# Altium PCB Slave_LHS.PcbDoc (part 1 of 3)
Units mm, origin at the board's own origin, x right, y up, seen from the top; angles counter-clockwise.
Board outline 65 x 162 mm, 4 copper layers (Top Layer, Int1 (GND), Int2 (PWR), Bottom Layer), stack 1.369 mm thick; 258 components, 190 nets, 698 pads, 180 vias.
Unrouted connection lines stored in the file: 7.
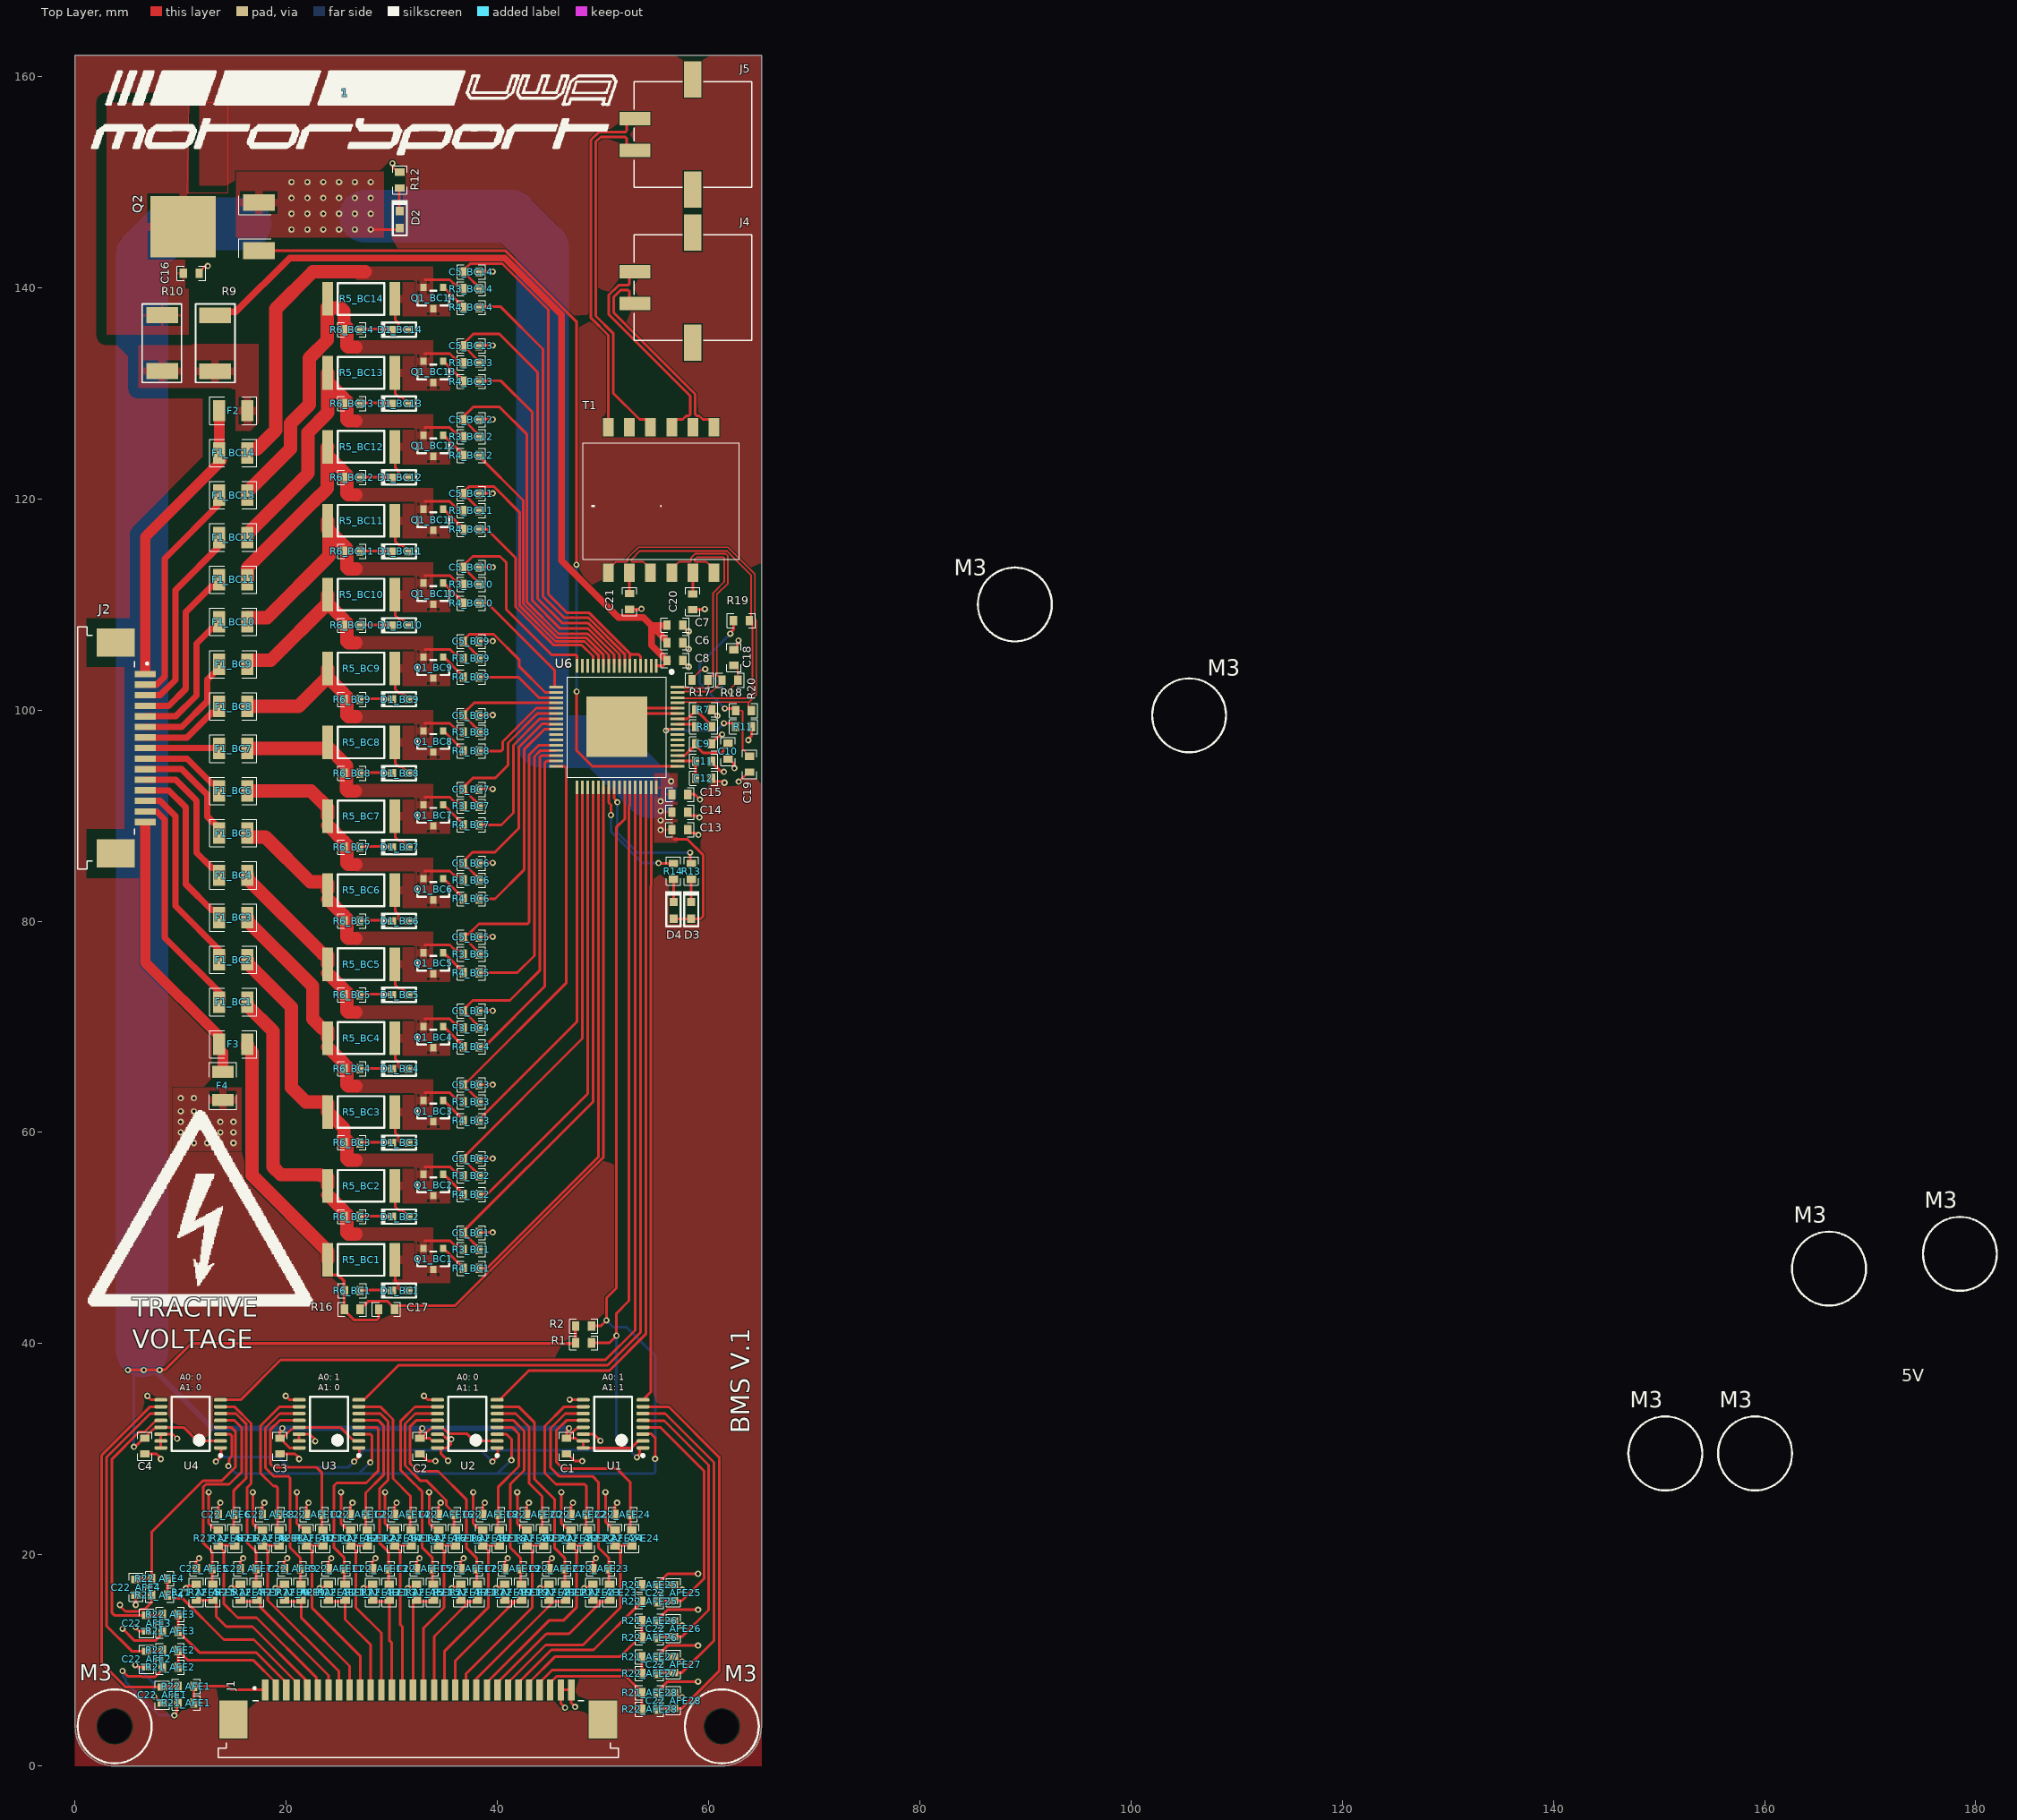
[diagram p0: Top Layer view]
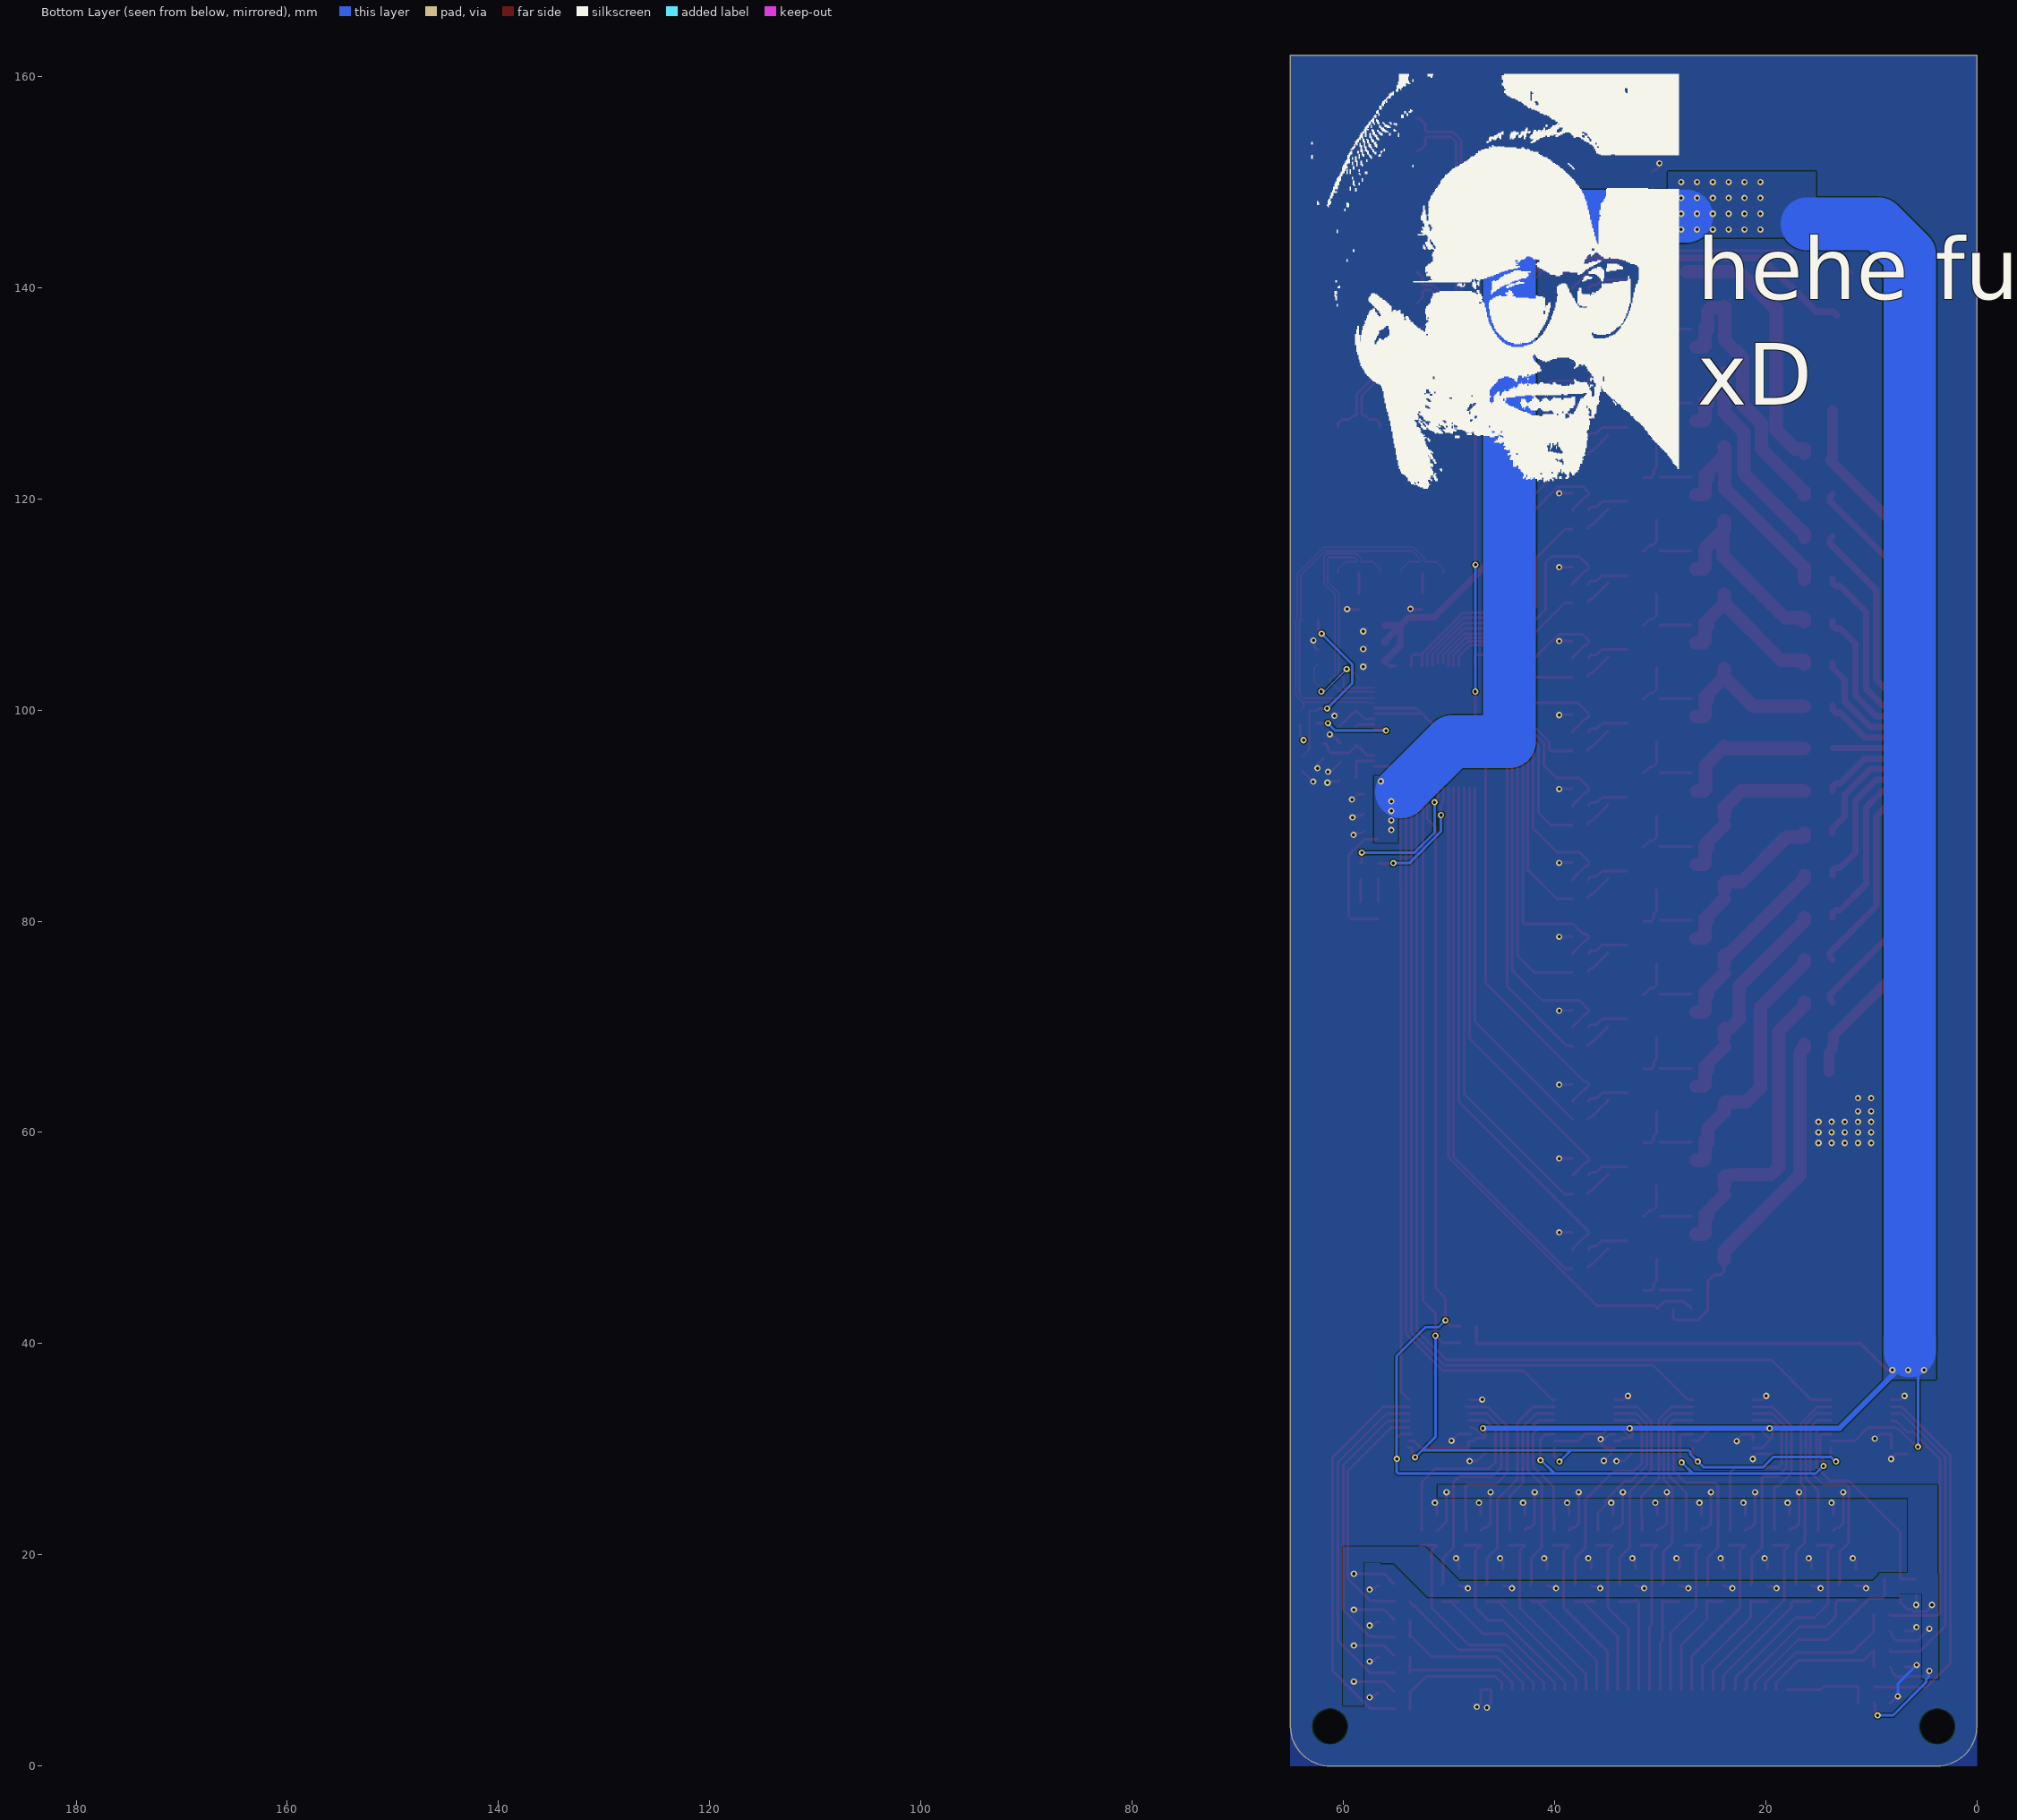
[diagram p1: Bottom Layer view, seen from below]
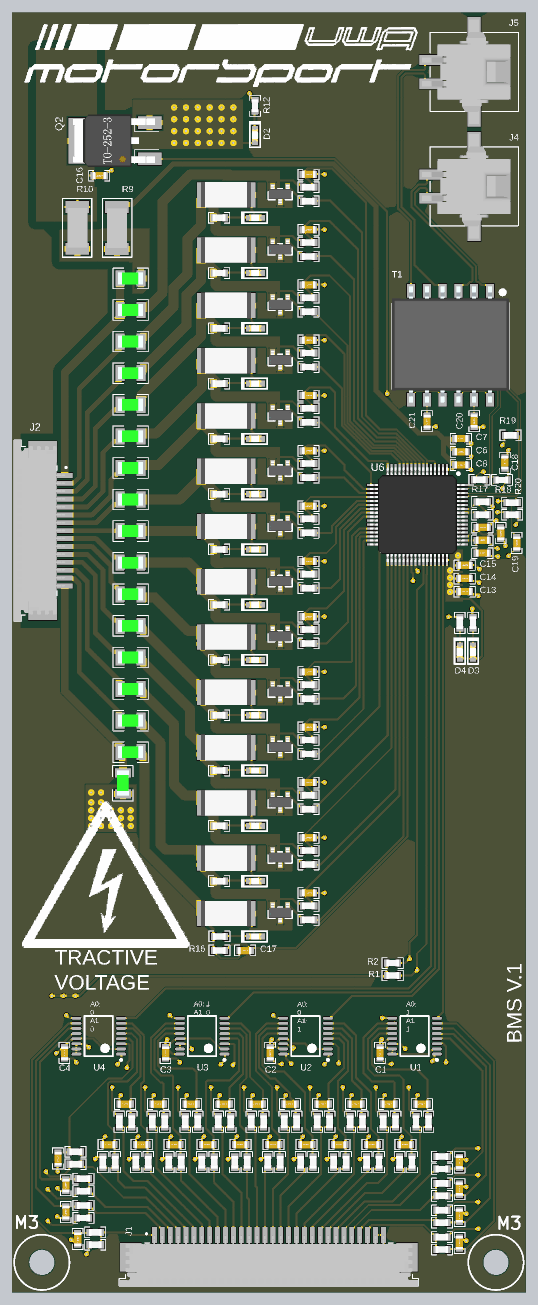
[diagram p4: 3D render of the assembled board from above, using the file's embedded part models]

## Layer stack, top to bottom
Top Solder: solder mask 0.0254, SM-001, Dk 4
Top Layer: signal copper 0.035
Dielectric 1: prepreg 0.1295, PP-017, Dk 4.3
Dielectric 2: prepreg 0.1295, PP-017, Dk 4.3
Int1 (GND): signal copper 0.035
Dielectric 3: core 0.7112, Core-039, Dk 4.8
Int2 (PWR): signal copper 0.035
Dielectric 4: prepreg 0.1295, PP-017, Dk 4.3
Dielectric 5: prepreg 0.1295, PP-017, Dk 4.3
Bottom Layer: signal copper 0.035
Bottom Solder: solder mask 0.0254, SM-001, Dk 4

## Board outline
0,3.75 0,162 65,162 65,3.75 cw(c61.25,3.75) 61.25,0 3.75,0 cw(c3.75,3.75)

## Design rules (kind name [scope] priority, off if disabled: settings)
BoardOutlineClearance [InNet('No Net')] p1: gap=0.3 ignorepadtopadclearanceinfootprint=FALSE except(0: Text-OutlineEdge Text-CavityEdge Text-CutoutEdge Text-SplitBarrior Text-SplitContinuation)
Clearance HV_Clearance [InNetClass('HVNetClass') OR InComponent('J2')] p1: gap=0 ignorepadtopadclearanceinfootprint=FALSE except(1: Arc-Fill Arc-Poly Arc-Region Track-Fill Track-Poly Track-Region SMDPad-Fill SMDPad-Poly SMDPad-Region Fill-Fill Fill-Poly Fill-Region Poly-Poly Poly-Region Region-Region)
Clearance PTHTrace [IsTrack vs (OnLayer('Multi-Layer') AND IsPad)] p2: gap=0.305 ignorepadtopadclearanceinfootprint=FALSE // Prevent ion migration
Clearance GeneralClearance [All] p3: gap=0.102 ignorepadtopadclearanceinfootprint=FALSE
DiffPairsRouting IsoSPI_Diff_Pair [All] p1: maxlimit=0.254 minlimit=0.1 mostfreqgap=0.2 toplayer_minwidth=0.1 toplayer_maxwidth=0.381 toplayer_prefwidth=0.15 midlayer1_minwidth=0.1 midlayer1_maxwidth=0.381 midlayer1_prefwidth=0.15 midlayer2_minwidth=0.1 midlayer2_maxwidth=0.381 midlayer2_prefwidth=0.15 bottomlayer_minwidth=0.1 bottomlayer_maxwidth=0.381 bottomlayer_prefwidth=0.15 maxuncoupledlength=12.7 // JLCPCB 0.2mm conductor height, Fr-4, 1oz
HoleSize [All] p1: absolutevalues=TRUE maxlimit=5 minlimit=0.3 maxpercent=80.000 minpercent=20.000
HoleSize ViaHole [IsVia] p2: absolutevalues=TRUE maxlimit=0.5 minlimit=0.3 maxpercent=80.000 minpercent=20.000
HoleToHoleClearance PTHClearance [(IsPad AND OnLayer('Multi-Layer'))] p1: gap=0.45 allowstackedmicrovias=TRUE
HoleToHoleClearance ViaToViaClearance [IsVia vs IsVia] p2: gap=0.3 allowstackedmicrovias=TRUE
MinimumAnnularRing Via [IsVia] p1: minimumring=0.1
MinimumSolderMaskSliver [All] p1: minsoldermaskwidth=0.35
PlaneClearance [InNet('Vin')] p1: clearance=1
PolygonConnect "High Current" [(InNetClass('BalanceNetClass') OR InNetClass('CB[14..1]') OR InNet('NetC16_2') OR InComponent('Q2') OR InComponent('F2') OR InComponent('F3') OR InNet('Vin'))] p1: thpad.connectstyle=Relief thpad.reliefconductorwidth=0.254 thpad.reliefentries=4 thpad.polygonreliefangle="90 Angle" thpad.airgapwidth=0.254 smdpad.connectstyle=Relief smdpad.reliefconductorwidth=0.75 smdpad.reliefentries=4 smdpad.polygonreliefangle="90 Angle" smdpad.airgapwidth=0.254 via.connectstyle=Direct via.reliefconductorwidth=0.254 via.reliefentries=4 via.polygonreliefangle="90 Angle" via.airgapwidth=0.254
PolygonConnect BasicPolyConnect [All] p2: thpad.connectstyle=Relief thpad.reliefconductorwidth=0.254 thpad.reliefentries=4 thpad.polygonreliefangle="90 Angle" thpad.airgapwidth=0.254 smdpad.connectstyle=Relief smdpad.reliefconductorwidth=0.254 smdpad.reliefentries=4 smdpad.polygonreliefangle="90 Angle" smdpad.airgapwidth=0.254 via.connectstyle=Direct via.reliefconductorwidth=0.254 via.reliefentries=4 via.polygonreliefangle="90 Angle" via.airgapwidth=0.254
RoutingVias [All] p1: holewidth=0.3 width=0.6 viastyle="Through Hole" minholewidth=0.3 minwidth=0.5 maxholewidth=0.6 maxwidth=1
SolderMaskExpansion [All] p1: expansion=0.102 istentingtop=FALSE
Width [All] p1: maxlimit=5 minlimit=0.102 preferedwidth=0.254
25 further rules are at their usual default settings.

## Classes and differential pairs
net class HVNetClass: Vin Vin2 VTap14
net class BalanceNetClass: CB1 CB2 CB3 CB4 CB5 CB6 CB7 CB8 CB9 CB10 CB11 CB12 CB13 CB14 HC2_BC1 HC2_BC2 HC2_BC3 HC2_BC4 HC2_BC5 HC2_BC6 HC2_BC7 HC2_BC8 HC2_BC9 HC2_BC10 HC2_BC11 HC2_BC12 HC2_BC13 HC2_BC14 Top14
differential pair class PRTB: PORTB
differential pair class PRTA: PORTA
differential pair class IB: IB
differential pair class IA: IA
channel class Balance_Circuit: BC1 BC2 BC3 BC4 BC5 BC6 BC7 BC8 BC9 BC10 BC11 BC12 BC13 BC14
channel class AFE: AFE1 AFE2 AFE3 AFE4 AFE5 AFE6 AFE7 AFE8 AFE9 AFE10 AFE11 AFE12 AFE13 AFE14 AFE15 AFE16 AFE17 AFE18 AFE19 AFE20 AFE21 AFE22 AFE23 AFE24 AFE25 AFE26 AFE27 AFE28
net class VTap[14..1]: VTap1 VTap2 VTap3 VTap4 VTap5 VTap6 VTap7 VTap8 VTap9 VTap10 VTap11 VTap12 VTap13 VTap14
net class Top[14..1]: CB2 CB3 CB4 CB5 CB6 CB7 CB8 CB9 CB10 CB11 CB12 CB13 CB14 Top14
net class S[14..1]: S1 S2 S3 S4 S5 S6 S7 S8 S9 S10 S11 S12 S13 S14
net class FPC[28..1]: FPC1 FPC2 FPC3 FPC4 FPC5 FPC6 FPC7 FPC8 FPC9 FPC10 FPC11 FPC12 FPC13 FPC14 FPC15 FPC16 FPC17 FPC18 FPC19 FPC20 FPC21 FPC22 FPC23 FPC24 FPC25 FPC26 FPC27 FPC28
net class CB[14..1]: CB1 CB2 CB3 CB4 CB5 CB6 CB7 CB8 CB9 CB10 CB11 CB12 CB13 CB14
net class C[14..1]: C1 C2 C3 C4 C5 C6 C7 C8 C9 C10 C11 C12 C13 C14
net class ADCIN[28..1]: ADCIN1 ADCIN2 ADCIN3 ADCIN4 ADCIN5 ADCIN6 ADCIN7 ADCIN8 ADCIN9 ADCIN10 ADCIN11 ADCIN12 ADCIN13 ADCIN14 ADCIN15 ADCIN16 ADCIN17 ADCIN18 ADCIN19 ADCIN20 ADCIN21 ADCIN22 ADCIN23 ADCIN24 ADCIN25 ADCIN26 ADCIN27 ADCIN28
component class Thermistor_ADC: C1 C2 C3 C4 J1 R1 R2 U1 U2 U3 U4
component class IsoSPI: C18 C19 C20 C21 J4 J5 R17 R18 R19 R20 T1
component class HV_BMS_Slave: 1 M3
component class BMS_IC: C6 C7 C8 C9 C10 C11 C12 C13 C14 C15 C16 C17 D2 D3 D4 F2 F3 F4 J2 Q2 R7 R8 R9 R10 R11 R12 R13 R14 R16 U6
component class BC14: C5_BC14 D1_BC14 F1_BC14 Q1_BC14 R3_BC14 R4_BC14 R5_BC14 R6_BC14
component class BC13: C5_BC13 D1_BC13 F1_BC13 Q1_BC13 R3_BC13 R4_BC13 R5_BC13 R6_BC13
component class BC12: C5_BC12 D1_BC12 F1_BC12 Q1_BC12 R3_BC12 R4_BC12 R5_BC12 R6_BC12
component class BC11: C5_BC11 D1_BC11 F1_BC11 Q1_BC11 R3_BC11 R4_BC11 R5_BC11 R6_BC11
component class BC10: C5_BC10 D1_BC10 F1_BC10 Q1_BC10 R3_BC10 R4_BC10 R5_BC10 R6_BC10
component class BC9: C5_BC9 D1_BC9 F1_BC9 Q1_BC9 R3_BC9 R4_BC9 R5_BC9 R6_BC9
component class BC8: C5_BC8 D1_BC8 F1_BC8 Q1_BC8 R3_BC8 R4_BC8 R5_BC8 R6_BC8
component class BC7: C5_BC7 D1_BC7 F1_BC7 Q1_BC7 R3_BC7 R4_BC7 R5_BC7 R6_BC7
component class BC6: C5_BC6 D1_BC6 F1_BC6 Q1_BC6 R3_BC6 R4_BC6 R5_BC6 R6_BC6
component class BC5: C5_BC5 D1_BC5 F1_BC5 Q1_BC5 R3_BC5 R4_BC5 R5_BC5 R6_BC5
component class BC4: C5_BC4 D1_BC4 F1_BC4 Q1_BC4 R3_BC4 R4_BC4 R5_BC4 R6_BC4
component class BC3: C5_BC3 D1_BC3 F1_BC3 Q1_BC3 R3_BC3 R4_BC3 R5_BC3 R6_BC3
component class BC2: C5_BC2 D1_BC2 F1_BC2 Q1_BC2 R3_BC2 R4_BC2 R5_BC2 R6_BC2
component class BC1: C5_BC1 D1_BC1 F1_BC1 Q1_BC1 R3_BC1 R4_BC1 R5_BC1 R6_BC1
component class AFE28: C22_AFE28 R21_AFE28 R22_AFE28
component class AFE27: C22_AFE27 R21_AFE27 R22_AFE27
component class AFE26: C22_AFE26 R21_AFE26 R22_AFE26
component class AFE25: C22_AFE25 R21_AFE25 R22_AFE25
component class AFE24: C22_AFE24 R21_AFE24 R22_AFE24
component class AFE23: C22_AFE23 R21_AFE23 R22_AFE23
component class AFE22: C22_AFE22 R21_AFE22 R22_AFE22
component class AFE21: C22_AFE21 R21_AFE21 R22_AFE21
component class AFE20: C22_AFE20 R21_AFE20 R22_AFE20
component class AFE19: C22_AFE19 R21_AFE19 R22_AFE19
component class AFE18: C22_AFE18 R21_AFE18 R22_AFE18
component class AFE17: C22_AFE17 R21_AFE17 R22_AFE17
component class AFE16: C22_AFE16 R21_AFE16 R22_AFE16
component class AFE15: C22_AFE15 R21_AFE15 R22_AFE15
component class AFE14: C22_AFE14 R21_AFE14 R22_AFE14
component class AFE13: C22_AFE13 R21_AFE13 R22_AFE13
component class AFE12: C22_AFE12 R21_AFE12 R22_AFE12
component class AFE11: C22_AFE11 R21_AFE11 R22_AFE11
component class AFE10: C22_AFE10 R21_AFE10 R22_AFE10
component class AFE9: C22_AFE9 R21_AFE9 R22_AFE9
component class AFE8: C22_AFE8 R21_AFE8 R22_AFE8
component class AFE7: C22_AFE7 R21_AFE7 R22_AFE7
component class AFE6: C22_AFE6 R21_AFE6 R22_AFE6
component class AFE5: C22_AFE5 R21_AFE5 R22_AFE5
component class AFE4: C22_AFE4 R21_AFE4 R22_AFE4
component class AFE3: C22_AFE3 R21_AFE3 R22_AFE3
component class AFE2: C22_AFE2 R21_AFE2 R22_AFE2
component class AFE1: C22_AFE1 R21_AFE1 R22_AFE1
differential pair PORTB: +PORTB_P -PORTB_N
differential pair PORTA: +PORTA_P -PORTA_N
differential pair IB: +IB_P -IB_N
differential pair IA: +IA_P -IA_N

## Components (designator, comment, footprint, x,y, rotation, side; value= is the part's Value field where it differs from the comment)
1 "UWAM Logo" "UWAM Logo" 25.55,158.45 r0 top
C1 "C" C_0603 46.55,29.55 r90 top value=0.1uF
C2 "C" C_0603 32.65,29.55 r90 top value=0.1uF
C3 "C" C_0603 19.4,29.55 r90 top value=0.1uF
C4 "C" C_0603 6.6,29.55 r90 top value=0.1uF
C5_BC1 "C" C_0603 38.25,50.5 r180 top value=10nF (schematic designator C5)
C5_BC2 "C" C_0603 38.25,57.5 r180 top value=10nF (schematic designator C5)
C5_BC3 "C" C_0603 38.25,64.5 r180 top value=10nF (schematic designator C5)
C5_BC4 "C" C_0603 38.25,71.5 r180 top value=10nF (schematic designator C5)
C5_BC5 "C" C_0603 38.25,78.5 r180 top value=10nF (schematic designator C5)
C5_BC6 "C" C_0603 38.25,85.5 r180 top value=10nF (schematic designator C5)
C5_BC7 "C" C_0603 38.25,92.5 r180 top value=10nF (schematic designator C5)
C5_BC8 "C" C_0603 38.25,99.5 r180 top value=10nF (schematic designator C5)
C5_BC9 "C" C_0603 38.25,106.5 r180 top value=10nF (schematic designator C5)
C5_BC10 "C" C_0603 38.25,113.5 r180 top value=10nF (schematic designator C5)
C5_BC11 "C" C_0603 38.25,120.5 r180 top value=10nF (schematic designator C5)
C5_BC12 "C" C_0603 38.25,127.5 r180 top value=10nF (schematic designator C5)
C5_BC13 "C" C_0603 38.25,134.5 r180 top value=10nF (schematic designator C5)
C5_BC14 "C" C_0603 38.25,141.5 r180 top value=10nF (schematic designator C5)
C6 "C" C_0603 57.55,106.376 r180 top value=4.7uF
C7 "C" C_0603 57.55,108.05 r180 top value=100nF
C8 "C" C_0603 57.55,104.702 r180 top value=10uF
C9 "C" C_0603 60.275,96.8 r180 top value=1uF
C10 "C" C_0603 61.85,95.35 r90 top value=100nF
C11 "C" C_0603 60.275,95.175 r180 top value=1uF
C12 "C" C_0603 60.275,93.55 r180 top value=100nF
C13 "C" C_0603 58.023,88.677 r180 top value=10uF
C14 "C" C_0603 58.023,90.339 r180 top value=4.7uF
C15 "C" C_0603 58.023,92.002 r180 top value=100nF
C16 "C" C_0603 11.75,141.35 r180 top value=1uF
C17 "C" C_0603 28.75,43.25 r0 top value=10nF
C18 "C" C_0603 62.4,105.725 r270 top value=10nF
C19 "C" C_0603 63.875,94.125 r90 top value=10nF
C20 "C" C_0603 58.5,111 r270 top value=10nF
C21 "C" C_0603 52.5,109.525 r90 top value=10nF
C22_AFE1 "C" C_0603 8.275,5.975 r90 top value=10nF (schematic designator C22)
C22_AFE2 "C" C_0603 6.775,9.375 r90 top value=10nF (schematic designator C22)
C22_AFE3 "C" C_0603 6.775,12.775 r90 top value=10nF (schematic designator C22)
C22_AFE4 "C" C_0603 5.775,16.175 r90 top value=10nF (schematic designator C22)
C22_AFE5 "C" C_0603 11.475,18.675 r0 top value=10nF (schematic designator C22)
C22_AFE6 "C" C_0603 13.563,23.8 r0 top value=10nF (schematic designator C22)
C22_AFE7 "C" C_0603 15.65,18.675 r0 top value=10nF (schematic designator C22)
C22_AFE8 "C" C_0603 17.738,23.8 r0 top value=10nF (schematic designator C22)
C22_AFE9 "C" C_0603 19.825,18.675 r0 top value=10nF (schematic designator C22)
C22_AFE10 "C" C_0603 21.913,23.8 r0 top value=10nF (schematic designator C22)
C22_AFE11 "C" C_0603 24,18.675 r0 top value=10nF (schematic designator C22)
C22_AFE12 "C" C_0603 26.088,23.8 r0 top value=10nF (schematic designator C22)
C22_AFE13 "C" C_0603 28.175,18.675 r0 top value=10nF (schematic designator C22)
C22_AFE14 "C" C_0603 30.263,23.8 r0 top value=10nF (schematic designator C22)
C22_AFE15 "C" C_0603 32.35,18.675 r0 top value=10nF (schematic designator C22)
C22_AFE16 "C" C_0603 34.438,23.8 r0 top value=10nF (schematic designator C22)
C22_AFE17 "C" C_0603 36.525,18.675 r0 top value=10nF (schematic designator C22)
C22_AFE18 "C" C_0603 38.613,23.8 r0 top value=10nF (schematic designator C22)
C22_AFE19 "C" C_0603 40.7,18.675 r0 top value=10nF (schematic designator C22)
C22_AFE20 "C" C_0603 42.788,23.8 r0 top value=10nF (schematic designator C22)
C22_AFE21 "C" C_0603 44.875,18.675 r0 top value=10nF (schematic designator C22)
C22_AFE22 "C" C_0603 46.963,23.8 r0 top value=10nF (schematic designator C22)
C22_AFE23 "C" C_0603 49.05,18.675 r0 top value=10nF (schematic designator C22)
C22_AFE24 "C" C_0603 51.138,23.8 r0 top value=10nF (schematic designator C22)
C22_AFE25 "C" C_0603 56.65,17.15 r270 top value=10nF (schematic designator C22)
C22_AFE26 "C" C_0603 56.65,13.75 r270 top value=10nF (schematic designator C22)
C22_AFE27 "C" C_0603 56.65,10.35 r270 top value=10nF (schematic designator C22)
C22_AFE28 "C" C_0603 56.65,6.95 r270 top value=10nF (schematic designator C22)
D1_BC1 "150060BS55040" "LED (0603)" 30.787,45.025 r0 top (schematic designator D1)
D1_BC2 "150060BS55040" "LED (0603)" 30.787,52.025 r0 top (schematic designator D1)
D1_BC3 "150060BS55040" "LED (0603)" 30.787,59.025 r0 top (schematic designator D1)
D1_BC4 "150060BS55040" "LED (0603)" 30.787,66.025 r0 top (schematic designator D1)
D1_BC5 "150060BS55040" "LED (0603)" 30.787,73.025 r0 top (schematic designator D1)
D1_BC6 "150060BS55040" "LED (0603)" 30.787,80.025 r0 top (schematic designator D1)
D1_BC7 "150060BS55040" "LED (0603)" 30.787,87.025 r0 top (schematic designator D1)
D1_BC8 "150060BS55040" "LED (0603)" 30.787,94.025 r0 top (schematic designator D1)
D1_BC9 "150060BS55040" "LED (0603)" 30.787,101.025 r0 top (schematic designator D1)
D1_BC10 "150060BS55040" "LED (0603)" 30.787,108.025 r0 top (schematic designator D1)
D1_BC11 "150060BS55040" "LED (0603)" 30.787,115.025 r0 top (schematic designator D1)
D1_BC12 "150060BS55040" "LED (0603)" 30.787,122.025 r0 top (schematic designator D1)
D1_BC13 "150060BS55040" "LED (0603)" 30.787,129.025 r0 top (schematic designator D1)
D1_BC14 "150060BS55040" "LED (0603)" 30.787,136.025 r0 top (schematic designator D1)
D2 "150060SS55040" "LED (0603)" 30.75,146.45 r270 top
D3 "150060BS55040" "LED (0603)" 58.35,81.025 r270 top
D4 "150060GS55040" "LED (0603)" 56.675,81.025 r270 top
F1_BC1 "0466.500NR" 0466.500NR 13.65,72.35 r270 top (schematic designator F1)
F1_BC2 "0466.500NR" 0466.500NR 13.65,76.35 r270 top (schematic designator F1)
F1_BC3 "0466.500NR" 0466.500NR 13.65,80.35 r270 top (schematic designator F1)
F1_BC4 "0466.500NR" 0466.500NR 13.65,84.35 r270 top (schematic designator F1)
F1_BC5 "0466.500NR" 0466.500NR 13.65,88.35 r270 top (schematic designator F1)
F1_BC6 "0466.500NR" 0466.500NR 13.65,92.35 r270 top (schematic designator F1)
F1_BC7 "0466.500NR" 0466.500NR 13.65,96.35 r270 top (schematic designator F1)
F1_BC8 "0466.500NR" 0466.500NR 13.65,100.35 r270 top (schematic designator F1)
F1_BC9 "0466.500NR" 0466.500NR 13.65,104.35 r270 top (schematic designator F1)
F1_BC10 "0466.500NR" 0466.500NR 13.65,108.35 r270 top (schematic designator F1)
F1_BC11 "0466.500NR" 0466.500NR 13.65,112.35 r270 top (schematic designator F1)
F1_BC12 "0466.500NR" 0466.500NR 13.65,116.35 r270 top (schematic designator F1)
F1_BC13 "0466.500NR" 0466.500NR 13.65,120.35 r270 top (schematic designator F1)
F1_BC14 "0466.500NR" 0466.500NR 13.65,124.35 r270 top (schematic designator F1)
F2 "0466.500NR" 0466.500NR 13.65,128.35 r270 top
F3 "0466.500NR" 0466.500NR 13.65,68.35 r270 top
F4 "0466.500NR" 0466.500NR 14,65.75 r180 top
J1 "3-84953-0" 3-84953-0 32.5,7.2 r0 top
J2 "1-84953-5" 1-84953-5 6.65,96.4 r270 top
J4 "2-1445057-2" TE_2-1445057-2 58.5,140 r90 top
J5 "2-1445057-2" TE_2-1445057-2 58.5,154.5 r90 top
M3 "M3 Mounting Holes" "M3 MH" 166.1,47.1 r0 top
M3 "M3 Mounting Holes" "M3 MH" 89,110 r0 top
M3 "M3 Mounting Holes" "M3 MH" 105.5,99.5 r0 top
M3 "M3 Mounting Holes" "M3 MH" 178.5,48.5 r0 top
M3 "M3 Mounting Holes" "M3 MH" 159.1,29.6 r0 top
M3 "M3 Mounting Holes" "M3 MH" 150.6,29.6 r0 top
M3 "M3 Mounting Holes" "M3 MH" 3.75,3.75 r0 top
M3 "M3 Mounting Holes" "M3 MH" 61.25,3.75 r0 top
Q1_BC1 "NX2301P,215" FP-SOT23-MFG 33.925,48.025 r270 top (schematic designator Q1)
Q1_BC2 "NX2301P,215" FP-SOT23-MFG 33.925,55.025 r270 top (schematic designator Q1)
Q1_BC3 "NX2301P,215" FP-SOT23-MFG 33.925,62.025 r270 top (schematic designator Q1)
Q1_BC4 "NX2301P,215" FP-SOT23-MFG 33.925,69.025 r270 top (schematic designator Q1)
Q1_BC5 "NX2301P,215" FP-SOT23-MFG 33.925,76.025 r270 top (schematic designator Q1)
Q1_BC6 "NX2301P,215" FP-SOT23-MFG 33.925,83.025 r270 top (schematic designator Q1)
Q1_BC7 "NX2301P,215" FP-SOT23-MFG 33.925,90.025 r270 top (schematic designator Q1)
Q1_BC8 "NX2301P,215" FP-SOT23-MFG 33.925,97.025 r270 top (schematic designator Q1)
Q1_BC9 "NX2301P,215" FP-SOT23-MFG 33.925,104.025 r270 top (schematic designator Q1)
Q1_BC10 "NX2301P,215" FP-SOT23-MFG 33.925,111.025 r270 top (schematic designator Q1)
Q1_BC11 "NX2301P,215" FP-SOT23-MFG 33.925,118.025 r270 top (schematic designator Q1)
Q1_BC12 "NX2301P,215" FP-SOT23-MFG 33.925,125.025 r270 top (schematic designator Q1)
Q1_BC13 "NX2301P,215" FP-SOT23-MFG 33.925,132.025 r270 top (schematic designator Q1)
Q1_BC14 "NX2301P,215" FP-SOT23-MFG 33.925,139.025 r270 top (schematic designator Q1)
Q2 "MJD340G" TO-252-3 17.405,143.49 r0 top
R1 "Resistor" R-0603 48.9,40.075 r180 top value=2k
R2 "Resistor" R-0603 48.9,41.65 r180 top value=2k
R3_BC1 "Resistor" R-0603 36.775,48.9 r0 top value=100 (schematic designator R3)
R3_BC2 "Resistor" R-0603 36.775,55.9 r0 top value=100 (schematic designator R3)
R3_BC3 "Resistor" R-0603 36.775,62.9 r0 top value=100 (schematic designator R3)
R3_BC4 "Resistor" R-0603 36.775,69.9 r0 top value=100 (schematic designator R3)
R3_BC5 "Resistor" R-0603 36.775,76.9 r0 top value=100 (schematic designator R3)
R3_BC6 "Resistor" R-0603 36.775,83.9 r0 top value=100 (schematic designator R3)
R3_BC7 "Resistor" R-0603 36.775,90.9 r0 top value=100 (schematic designator R3)
R3_BC8 "Resistor" R-0603 36.775,97.9 r0 top value=100 (schematic designator R3)
R3_BC9 "Resistor" R-0603 36.775,104.9 r0 top value=100 (schematic designator R3)
R3_BC10 "Resistor" R-0603 36.775,111.9 r0 top value=100 (schematic designator R3)
R3_BC11 "Resistor" R-0603 36.775,118.9 r0 top value=100 (schematic designator R3)
R3_BC12 "Resistor" R-0603 36.775,125.9 r0 top value=100 (schematic designator R3)
R3_BC13 "Resistor" R-0603 36.775,132.9 r0 top value=100 (schematic designator R3)
R3_BC14 "Resistor" R-0603 36.775,139.9 r0 top value=100 (schematic designator R3)
R4_BC1 "Resistor" R-0603 36.775,47.125 r0 top value=3k3 (schematic designator R4)
R4_BC2 "Resistor" R-0603 36.775,54.125 r0 top value=3k3 (schematic designator R4)
R4_BC3 "Resistor" R-0603 36.775,61.125 r0 top value=3k3 (schematic designator R4)
R4_BC4 "Resistor" R-0603 36.775,68.125 r0 top value=3k3 (schematic designator R4)
R4_BC5 "Resistor" R-0603 36.775,75.125 r0 top value=3k3 (schematic designator R4)
R4_BC6 "Resistor" R-0603 36.775,82.125 r0 top value=3k3 (schematic designator R4)
R4_BC7 "Resistor" R-0603 36.775,89.125 r0 top value=3k3 (schematic designator R4)
R4_BC8 "Resistor" R-0603 36.775,96.125 r0 top value=3k3 (schematic designator R4)
R4_BC9 "Resistor" R-0603 36.775,103.125 r0 top value=3k3 (schematic designator R4)
R4_BC10 "Resistor" R-0603 36.775,110.125 r0 top value=3k3 (schematic designator R4)
R4_BC11 "Resistor" R-0603 36.775,117.125 r0 top value=3k3 (schematic designator R4)
R4_BC12 "Resistor" R-0603 36.775,124.125 r0 top value=3k3 (schematic designator R4)
R4_BC13 "Resistor" R-0603 36.775,131.125 r0 top value=3k3 (schematic designator R4)
R4_BC14 "Resistor" R-0603 36.775,138.125 r0 top value=3k3 (schematic designator R4)
R5_BC1 "CRCW251221R0FKEGHP" R_2512 30.275,47.933 r180 top value=21 (schematic designator R5)
R5_BC2 "CRCW251221R0FKEGHP" R_2512 30.275,54.933 r180 top value=21 (schematic designator R5)
R5_BC3 "CRCW251221R0FKEGHP" R_2512 30.275,61.933 r180 top value=21 (schematic designator R5)
R5_BC4 "CRCW251221R0FKEGHP" R_2512 30.275,68.933 r180 top value=21 (schematic designator R5)
R5_BC5 "CRCW251221R0FKEGHP" R_2512 30.275,75.933 r180 top value=21 (schematic designator R5)
R5_BC6 "CRCW251221R0FKEGHP" R_2512 30.275,82.933 r180 top value=21 (schematic designator R5)
R5_BC7 "CRCW251221R0FKEGHP" R_2512 30.275,89.933 r180 top value=21 (schematic designator R5)
R5_BC8 "CRCW251221R0FKEGHP" R_2512 30.275,96.933 r180 top value=21 (schematic designator R5)
R5_BC9 "CRCW251221R0FKEGHP" R_2512 30.275,103.933 r180 top value=21 (schematic designator R5)
R5_BC10 "CRCW251221R0FKEGHP" R_2512 30.275,110.933 r180 top value=21 (schematic designator R5)
R5_BC11 "CRCW251221R0FKEGHP" R_2512 30.275,117.933 r180 top value=21 (schematic designator R5)
R5_BC12 "CRCW251221R0FKEGHP" R_2512 30.275,124.933 r180 top value=21 (schematic designator R5)
R5_BC13 "CRCW251221R0FKEGHP" R_2512 30.275,131.933 r180 top value=21 (schematic designator R5)
R5_BC14 "CRCW251221R0FKEGHP" R_2512 30.275,138.933 r180 top value=21 (schematic designator R5)
R6_BC1 "RT0603DRE07583RL" R-0603 25.5,45.025 r0 top value=583 (schematic designator R6)
R6_BC2 "RT0603DRE07583RL" R-0603 25.463,52.025 r0 top value=583 (schematic designator R6)
R6_BC3 "RT0603DRE07583RL" R-0603 25.463,59.025 r0 top value=583 (schematic designator R6)
R6_BC4 "RT0603DRE07583RL" R-0603 25.463,66.025 r0 top value=583 (schematic designator R6)
R6_BC5 "RT0603DRE07583RL" R-0603 25.463,73.025 r0 top value=583 (schematic designator R6)
R6_BC6 "RT0603DRE07583RL" R-0603 25.463,80.025 r0 top value=583 (schematic designator R6)
R6_BC7 "RT0603DRE07583RL" R-0603 25.463,87.025 r0 top value=583 (schematic designator R6)
R6_BC8 "RT0603DRE07583RL" R-0603 25.463,94.025 r0 top value=583 (schematic designator R6)
R6_BC9 "RT0603DRE07583RL" R-0603 25.463,101.025 r0 top value=583 (schematic designator R6)
R6_BC10 "RT0603DRE07583RL" R-0603 25.463,108.025 r0 top value=583 (schematic designator R6)
R6_BC11 "RT0603DRE07583RL" R-0603 25.463,115.025 r0 top value=583 (schematic designator R6)
R6_BC12 "RT0603DRE07583RL" R-0603 25.463,122.025 r0 top value=583 (schematic designator R6)
R6_BC13 "RT0603DRE07583RL" R-0603 25.463,129.025 r0 top value=583 (schematic designator R6)
R6_BC14 "RT0603DRE07583RL" R-0603 25.463,136.025 r0 top value=583 (schematic designator R6)
R7 "Resistor" R-0603 60.275,100.05 r180 top value=1.21k
R8 "RB1" R-0603 60.275,98.425 r180 top value=2.8k
R9 "ERJ-12ZYJ101U" R_2010 13.25,134.725 r90 top value=100
R10 "ERJ-12ZYJ101U" R_2010 8.25,134.75 r270 top value=100
R11 "Resistor" R-0603 64.05,98.425 r180 top value=1M
R12 "Resistor" R-0603 30.75,150.95 r270 top value=1k
R13 "Resistor" R-0603 58.35,85.475 r270 top value=1k
R14 "Resistor" R-0603 56.675,85.475 r270 top value=1k
R16 "Resistor" R-0603 25.5,43.25 r0 top value=100
R17 "Resistor" R-0603 58.425,102.85 r0 top value=51
R18 "Resistor" R-0603 61.275,102.825 r0 top value=51
R19 "Resistor" R-0603 62.35,108.475 r0 top value=51
R20 "Resistor" R-0603 64.05,99.95 r180 top value=51
R21_AFE1 "CRT0603-BY-1002EST" R-0603 11.25,5.975 r180 top value=10k (schematic designator R21)
R21_AFE2 "CRT0603-BY-1002EST" R-0603 9.75,9.375 r180 top value=10k (schematic designator R21)
R21_AFE3 "CRT0603-BY-1002EST" R-0603 9.75,12.775 r180 top value=10k (schematic designator R21)
R21_AFE4 "CRT0603-BY-1002EST" R-0603 8.75,16.175 r180 top value=10k (schematic designator R21)
R21_AFE5 "CRT0603-BY-1002EST" R-0603 11.475,15.7 r90 top value=10k (schematic designator R21)
R21_AFE6 "CRT0603-BY-1002EST" R-0603 13.563,20.825 r90 top value=10k (schematic designator R21)
R21_AFE7 "CRT0603-BY-1002EST" R-0603 15.65,15.7 r90 top value=10k (schematic designator R21)
R21_AFE8 "CRT0603-BY-1002EST" R-0603 17.738,20.825 r90 top value=10k (schematic designator R21)
R21_AFE9 "CRT0603-BY-1002EST" R-0603 19.825,15.7 r90 top value=10k (schematic designator R21)
R21_AFE10 "CRT0603-BY-1002EST" R-0603 21.913,20.825 r90 top value=10k (schematic designator R21)
R21_AFE11 "CRT0603-BY-1002EST" R-0603 24,15.7 r90 top value=10k (schematic designator R21)
R21_AFE12 "CRT0603-BY-1002EST" R-0603 26.088,20.825 r90 top value=10k (schematic designator R21)
R21_AFE13 "CRT0603-BY-1002EST" R-0603 28.175,15.7 r90 top value=10k (schematic designator R21)
R21_AFE14 "CRT0603-BY-1002EST" R-0603 30.263,20.825 r90 top value=10k (schematic designator R21)
R21_AFE15 "CRT0603-BY-1002EST" R-0603 32.35,15.7 r90 top value=10k (schematic designator R21)
R21_AFE16 "CRT0603-BY-1002EST" R-0603 34.438,20.825 r90 top value=10k (schematic designator R21)
R21_AFE17 "CRT0603-BY-1002EST" R-0603 36.525,15.7 r90 top value=10k (schematic designator R21)
R21_AFE18 "CRT0603-BY-1002EST" R-0603 38.613,20.825 r90 top value=10k (schematic designator R21)
R21_AFE19 "CRT0603-BY-1002EST" R-0603 40.7,15.7 r90 top value=10k (schematic designator R21)
R21_AFE20 "CRT0603-BY-1002EST" R-0603 42.788,20.825 r90 top value=10k (schematic designator R21)
R21_AFE21 "CRT0603-BY-1002EST" R-0603 44.875,15.7 r90 top value=10k (schematic designator R21)
R21_AFE22 "CRT0603-BY-1002EST" R-0603 46.963,20.825 r90 top value=10k (schematic designator R21)
R21_AFE23 "CRT0603-BY-1002EST" R-0603 49.05,15.7 r90 top value=10k (schematic designator R21)
R21_AFE24 "CRT0603-BY-1002EST" R-0603 51.138,20.825 r90 top value=10k (schematic designator R21)
R21_AFE25 "CRT0603-BY-1002EST" R-0603 53.675,17.15 r0 top value=10k (schematic designator R21)
R21_AFE26 "CRT0603-BY-1002EST" R-0603 53.675,13.75 r0 top value=10k (schematic designator R21)
R21_AFE27 "CRT0603-BY-1002EST" R-0603 53.675,10.35 r0 top value=10k (schematic designator R21)
R21_AFE28 "CRT0603-BY-1002EST" R-0603 53.675,6.95 r0 top value=10k (schematic designator R21)
R22_AFE1 "Resistor" R-0603 11.25,7.55 r180 top value=100 (schematic designator R22)
R22_AFE2 "Resistor" R-0603 9.75,10.95 r180 top value=100 (schematic designator R22)
R22_AFE3 "Resistor" R-0603 9.75,14.35 r180 top value=100 (schematic designator R22)
R22_AFE4 "Resistor" R-0603 8.75,17.75 r180 top value=100 (schematic designator R22)
R22_AFE5 "Resistor" R-0603 13.05,15.7 r90 top value=100 (schematic designator R22)
R22_AFE6 "Resistor" R-0603 15.138,20.825 r90 top value=100 (schematic designator R22)
R22_AFE7 "Resistor" R-0603 17.225,15.7 r90 top value=100 (schematic designator R22)
R22_AFE8 "Resistor" R-0603 19.313,20.825 r90 top value=100 (schematic designator R22)
R22_AFE9 "Resistor" R-0603 21.4,15.7 r90 top value=100 (schematic designator R22)
R22_AFE10 "Resistor" R-0603 23.488,20.825 r90 top value=100 (schematic designator R22)
R22_AFE11 "Resistor" R-0603 25.575,15.7 r90 top value=100 (schematic designator R22)
R22_AFE12 "Resistor" R-0603 27.663,20.825 r90 top value=100 (schematic designator R22)
R22_AFE13 "Resistor" R-0603 29.75,15.7 r90 top value=100 (schematic designator R22)
R22_AFE14 "Resistor" R-0603 31.838,20.825 r90 top value=100 (schematic designator R22)
R22_AFE15 "Resistor" R-0603 33.925,15.7 r90 top value=100 (schematic designator R22)
R22_AFE16 "Resistor" R-0603 36.013,20.825 r90 top value=100 (schematic designator R22)
R22_AFE17 "Resistor" R-0603 38.1,15.7 r90 top value=100 (schematic designator R22)
R22_AFE18 "Resistor" R-0603 40.188,20.825 r90 top value=100 (schematic designator R22)
R22_AFE19 "Resistor" R-0603 42.275,15.7 r90 top value=100 (schematic designator R22)
R22_AFE20 "Resistor" R-0603 44.363,20.825 r90 top value=100 (schematic designator R22)
R22_AFE21 "Resistor" R-0603 46.45,15.7 r90 top value=100 (schematic designator R22)
R22_AFE22 "Resistor" R-0603 48.538,20.825 r90 top value=100 (schematic designator R22)
R22_AFE23 "Resistor" R-0603 50.625,15.7 r90 top value=100 (schematic designator R22)
R22_AFE24 "Resistor" R-0603 52.713,20.825 r90 top value=100 (schematic designator R22)
R22_AFE25 "Resistor" R-0603 53.675,15.575 r0 top value=100 (schematic designator R22)
R22_AFE26 "Resistor" R-0603 53.675,12.175 r0 top value=100 (schematic designator R22)
R22_AFE27 "Resistor" R-0603 53.675,8.775 r0 top value=100 (schematic designator R22)
R22_AFE28 "Resistor" R-0603 53.675,5.375 r0 top value=100 (schematic designator R22)
T1 "SM91501ALE" SM91501ALE 60.5,126.785 r180 top
U1 "ADG728" ADG728 50.95,32.4 r180 top
U2 "ADG728" ADG728 37.15,32.4 r180 top
U3 "ADG728" ADG728 24.05,32.4 r180 top
U4 "ADG728" ADG728 10.95,32.4 r180 top
U6 "LTC6812-1" 64-eLQFP 51.3,98.425 r270 top
? "Tractive voltage symbol" "Tractive voltage" 12,53 r0 top

## Footprints (in the part's own frame and the unit in brackets; to place one, negate y for a bottom-side part, rotate by r counter-clockwise, add the part's x,y. Pads: shape width x height; smd on the part's side, far side on the other; paste and mask are expansions set on the pad)
1-84953-5 [mm] "15 way- FPC Connector"
  rect 0.61x2 smd: 1(-7,0) 2(-6,0) 3(-5,0) 4(-4,0) 5(-3,0) 6(-2,0) 7(-1,0) 8(0,0) 9(1,0) 10(2,0) 11(3,0) 12(4,0) 13(5,0) 14(6,0) 15(7,0)
  rect 2.68x3.6 smd: S(-9.99,-2.8) S(9.99,-2.8)
  silkscreen extent -11.46,-6.4 11.46,0.27, body extent -11.49,-6.42 11.42,0.13, height 2.59
3-84953-0 [mm] "30 way FPC Connector"
  rect 0.61x2 smd: 1(-14.5,0) 2(-13.5,0) 3(-12.5,0) 4(-11.5,0) 5(-10.5,0) 6(-9.5,0) 7(-8.5,0) 8(-7.5,0) 9(-6.5,0) 10(-5.5,0) 11(-4.5,0) 12(-3.5,0) 13(-2.5,0) 14(-1.5,0) 15(-0.5,0) 16(0.5,0) 17(1.5,0) 18(2.5,0) 19(3.5,0) 20(4.5,0) 21(5.5,0) 22(6.5,0) 23(7.5,0) 24(8.5,0) 25(9.5,0) 26(10.5,0) 27(11.5,0) 28(12.5,0) 29(13.5,0) 30(14.5,0)
  rect 2.68x3.6 smd: S1(-17.49,-2.8) S2(17.49,-2.8)
  silkscreen extent -18.96,-6.4 18.96,0.27, body extent -18.96,-6.55 18.96,0, height 2.59
64-eLQFP [mm]
  rect 1.3x0.25 smd: 1(-5.75,3.75) 2(-5.75,3.25) 3(-5.75,2.75) 4(-5.75,2.25) 5(-5.75,1.75) 6(-5.75,1.25) 7(-5.75,0.75) 8(-5.75,0.25) 9(-5.75,-0.25) 10(-5.75,-0.75) 11(-5.75,-1.25) 12(-5.75,-1.75) 13(-5.75,-2.25) 14(-5.75,-2.75) 15(-5.75,-3.25) 16(-5.75,-3.75) 33(5.75,-3.75) 34(5.75,-3.25) 35(5.75,-2.75) 36(5.75,-2.25) 37(5.75,-1.75) 38(5.75,-1.25) 39(5.75,-0.75) 40(5.75,-0.25) 41(5.75,0.25) 42(5.75,0.75) 43(5.75,1.25) 44(5.75,1.75) 45(5.75,2.25) 46(5.75,2.75) 47(5.75,3.25) 48(5.75,3.75)
  rect 0.25x1.3 smd: 17(-3.75,-5.75) 18(-3.25,-5.75) 19(-2.75,-5.75) 20(-2.25,-5.75) 21(-1.75,-5.75) 22(-1.25,-5.75) 23(-0.75,-5.75) 24(-0.25,-5.75) 25(0.25,-5.75) 26(0.75,-5.75) 27(1.25,-5.75) 28(1.75,-5.75) 29(2.25,-5.75) 30(2.75,-5.75) 31(3.25,-5.75) 32(3.75,-5.75) 49(3.75,5.75) 50(3.25,5.75) 51(2.75,5.75) 52(2.25,5.75) 53(1.75,5.75) 54(1.25,5.75) 55(0.75,5.75) 56(0.25,5.75) 57(-0.25,5.75) 58(-0.75,5.75) 59(-1.25,5.75) 60(-1.75,5.75) 61(-2.25,5.75) 62(-2.75,5.75) 63(-3.25,5.75) 64(-3.75,5.75)
  rect 5.74x5.74 smd: 65(0,0)
  silkscreen extent -5.24,-4.7 4.8,5.24, body extent -6,-6 6,6, height 1.46
0466.500NR [mm] "Surface Mount Fuses 63V .5A"
  rect 2.03x1.14 smd: 1(0,0) 2(0,2.67)
  silkscreen extent -1.3,-0.9 1.3,3.57, body extent -0.76,-0.29 0.76,2.89, height 0.58
ADG728 [mm]
  oval 1.25x0.35 smd: 1(-2.825,2.275) 2(-2.825,1.625) 3(-2.825,0.975) 4(-2.825,0.325) 5(-2.825,-0.325) 6(-2.825,-0.975) 7(-2.825,-1.625) 8(-2.825,-2.275) 9(2.825,-2.275) 10(2.825,-1.625) 11(2.825,-0.975) 12(2.825,-0.325) 13(2.825,0.325) 14(2.825,0.975) 15(2.825,1.625) 16(2.825,2.275)
  silkscreen extent -2.95,-2.55 1.8,3.12, body extent -2.25,-2.55 2.25,2.55, height 1.2
C_0603 [mm] "0603 Capacitor"
  rect 0.7x0.9 smd: 1(0,0) 2(1.5,0)
  silkscreen extent -0.6,-0.67 2.07,0.67, body extent -0.17,-0.5 1.57,0.45, height 0.88
FP-SOT23-MFG [mm]
  rect 0.7x0.6 smd paste-1000 mask+0: 1(-1,0.95) 2(-1,-0.95) 3(1,0)
  silkscreen extent -0.7,-1.5 0.7,1.5, body extent -1.5,-1.65 1.5,1.65, height 0.25
"LED (0603)" [mm]
  rect 0.8x0.75 smd: 1(-0.8,0) 2(0.8,0)
  silkscreen extent -1.83,-0.77 1.5,0.78, body extent -0.82,-0.4 0.78,0.4, height 0.41
"M3 MH" [mm] "M3 MH"
  round 0 hole 3.2 unplated mask+0: ""(0,0)
  silkscreen extent -3.5,-3.5 3.5,3.5
R-0603 [mm] "0603 Resistor"
  rect 0.7x0.9 smd: 1(0,0) 2(1.5,0)
  silkscreen extent -0.6,-0.67 2.07,0.67, body extent -0.07,-0.43 1.53,0.43, height 0.52
R_2010 [mm]
  rect 1.5x3 smd: 1(-2.65,0) 2(2.65,0)
  silkscreen extent -3.7,-1.9 3.72,1.83, body extent -2.5,-1.25 2.5,1.25, height 0.61
R_2512 [mm] "2512 Resistor"
  rect 1.02x3.18 smd: 1(0,0) 2(6.35,0)
  silkscreen extent 1,-1.5 5.4,1.5, body extent 0.03,-1.63 6.37,1.63, height 0.62
SM91501ALE [mm] "2 Channel pulse transformer with choke"
  rect 1.02x1.715 smd: 1(0,0) 2(2,0) 3(4,0) 4(6,0) 5(8,0) 6(10,0) 7(10,13.785) 8(8,13.785) 9(6,13.785) 10(4,13.785) 11(2,13.785) 12(0,13.785)
  round 1 on Top Overlay mask+0: ""(-1.6,0.2)
  silkscreen extent -2.4,1.5 12.4,12.5, body extent -2.41,-0.56 12.4,14.17, height 5
TE_2-1445057-2 [mm]
  rect 1.27x2.92 smd: 1(1.5,5.48) 2(-1.5,5.48)
  rect 3.43x1.65 smd: P1(5.205,0) P2(-5.205,0)
  silkscreen extent -5,-5.58 5,5.58, body extent -6.62,-4.57 6.62,6.59, height 5.68
TO-252-3 [mm] "TO-252-3"
  rect 3x1.6 smd: 1(0,0) 3(0,4.57)
  rect 6.2x5.8 smd: 2(-7.18,2.285)
  silkscreen extent -1.91,-0.64 1.14,5.21, body extent -9.68,-1.06 0.67,5.64, height 2.42
"Tractive voltage" [mm]
  silkscreen extent -10.78,-9.46 10.48,9.09
"UWAM Logo" [mm] "UWAM Logo"
  silkscreen extent -24.03,-5.88 25.8,2.11